# EAGLE board Mk4 Final a Panel score 2x5 (EAGLE 9.0.1), part 3 of 29
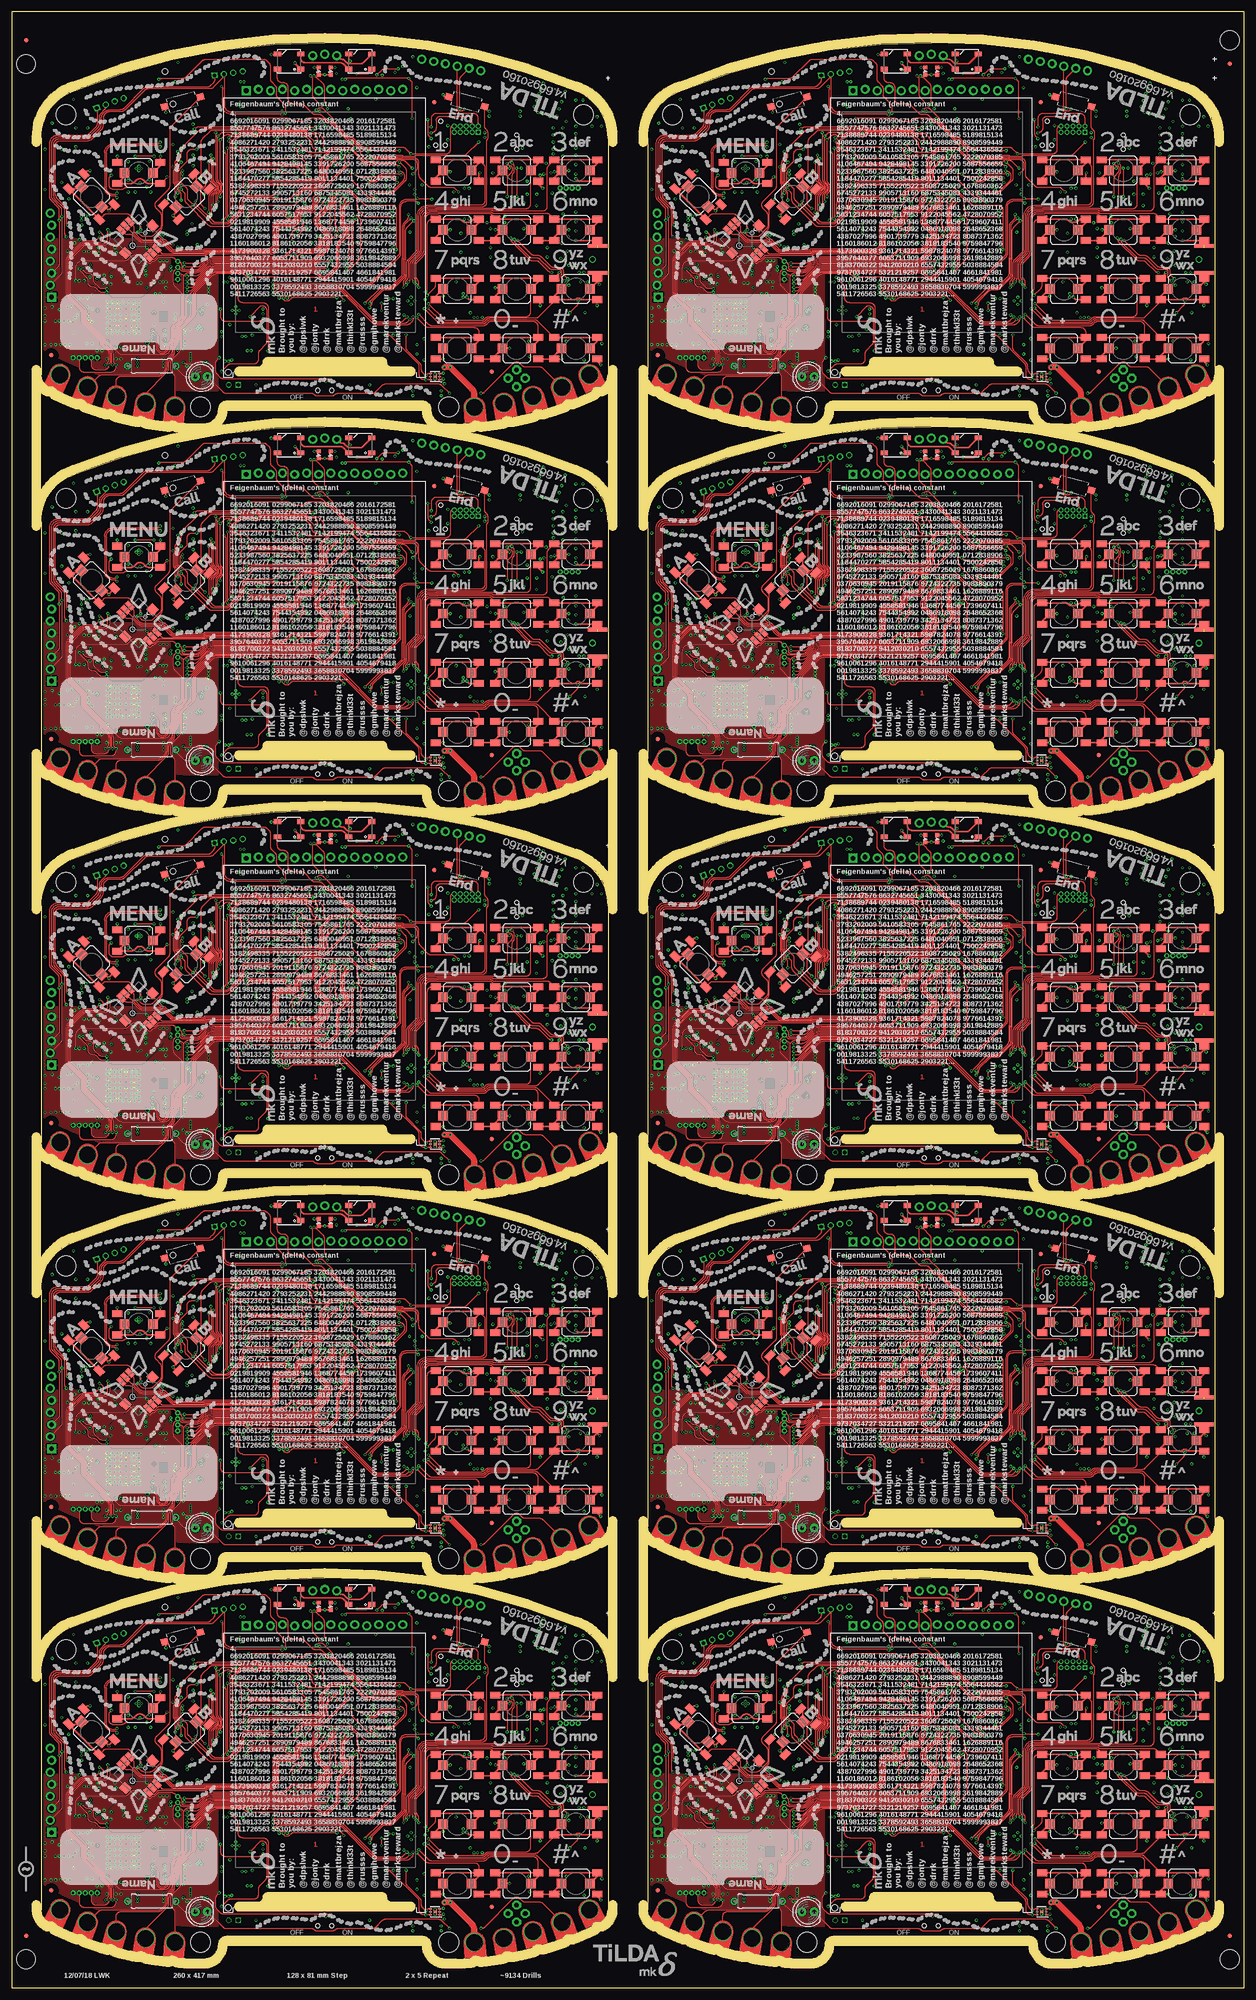
[diagram p0: board, top side]
## Placement (x,y rotation side) (continued)
IC128  MSP432E401  [QFP128-0.4]  194,302 0 bottom
IC129  SIM800C24 S2-10686-Z1L09  [SIM800C]  234.5,290 180 bottom
IC130  MX25R8035FM1IH1  [SO08-EIAJ]  206.7,292.15 270 bottom
IC131  TPD3E001DRL  [DRL-5]  210.25,322.5 90 bottom
IC132  BQ25601  [QFN-24]  175.25,273 270 bottom
IC133  TPD3E001DRL  [DRL-5]  243.25,279.4 270 bottom
IC134  TLV9002IDGK  [VSSOP8]  215,303 180 bottom
IC135  SN74HC4066D  [SO14]  225,303.5 0 bottom
IC136  TPA2006D1  [VSON-8]  154.8,302.95 270 bottom
IC137  CC3120R  [VQFN-64]  151.5,271.5 0 bottom
IC138  MX25R1635FM1IL0  [SO08-EIAJ]  147.75,289.25 90 bottom
IC139  TCA9555RGER  [QFN-24]  212.25,275 270 bottom
IC140  TMP102AIDRLR  [SOT563]  209,270 270 bottom
IC141  TPS62822DLCR  [VSON-HR]  165.7,263.1 180 bottom
IC142  OPT3001DNPR  [USON-6]  217.3,259 180 top
IC143  HDC2080DMBR  [SHT2X]  216.1,256 90 bottom
IC144  DRV5055A1QDBZR  [SOT23-3]  222.25,258.25 180 bottom
IC145  AS4C4M16SA-7TCN  [TSOP54-400]  42.7,382.7 270 bottom
IC146  MSP432E401  [QFP128-0.4]  66,383 0 bottom
IC147  SIM800C24 S2-10686-Z1L09  [SIM800C]  106.5,371 180 bottom
IC148  MX25R8035FM1IH1  [SO08-EIAJ]  78.7,373.15 270 bottom
IC149  TPD3E001DRL  [DRL-5]  82.25,403.5 90 bottom
IC150  BQ25601  [QFN-24]  47.25,354 270 bottom
IC151  TPD3E001DRL  [DRL-5]  115.25,360.4 270 bottom
IC152  TLV9002IDGK  [VSSOP8]  87,384 180 bottom
IC153  SN74HC4066D  [SO14]  97,384.5 0 bottom
IC154  TPA2006D1  [VSON-8]  26.8,383.95 270 bottom
IC155  CC3120R  [VQFN-64]  23.5,352.5 0 bottom
IC156  MX25R1635FM1IL0  [SO08-EIAJ]  19.75,370.25 90 bottom
IC157  TCA9555RGER  [QFN-24]  84.25,356 270 bottom
IC158  TMP102AIDRLR  [SOT563]  81,351 270 bottom
IC159  TPS62822DLCR  [VSON-HR]  37.7,344.1 180 bottom
IC160  OPT3001DNPR  [USON-6]  89.3,340 180 top
IC161  HDC2080DMBR  [SHT2X]  88.1,337 90 bottom
IC162  DRV5055A1QDBZR  [SOT23-3]  94.25,339.25 180 bottom
IC163  AS4C4M16SA-7TCN  [TSOP54-400]  170.7,382.7 270 bottom
IC164  MSP432E401  [QFP128-0.4]  194,383 0 bottom
IC165  SIM800C24 S2-10686-Z1L09  [SIM800C]  234.5,371 180 bottom
IC166  MX25R8035FM1IH1  [SO08-EIAJ]  206.7,373.15 270 bottom
IC167  TPD3E001DRL  [DRL-5]  210.25,403.5 90 bottom
IC168  BQ25601  [QFN-24]  175.25,354 270 bottom
IC169  TPD3E001DRL  [DRL-5]  243.25,360.4 270 bottom
IC170  TLV9002IDGK  [VSSOP8]  215,384 180 bottom
IC171  SN74HC4066D  [SO14]  225,384.5 0 bottom
IC172  TPA2006D1  [VSON-8]  154.8,383.95 270 bottom
IC173  CC3120R  [VQFN-64]  151.5,352.5 0 bottom
IC174  MX25R1635FM1IL0  [SO08-EIAJ]  147.75,370.25 90 bottom
IC175  TCA9555RGER  [QFN-24]  212.25,356 270 bottom
IC176  TMP102AIDRLR  [SOT563]  209,351 270 bottom
IC177  TPS62822DLCR  [VSON-HR]  165.7,344.1 180 bottom
IC178  OPT3001DNPR  [USON-6]  217.3,340 180 top
IC179  HDC2080DMBR  [SHT2X]  216.1,337 90 bottom
IC180  DRV5055A1QDBZR  [SOT23-3]  222.25,339.25 180 bottom
J1  78723-1001  [MSIM-MOLEX-LWK]  123.5,28.25 180 bottom
J2  ER-CON50HT-1  [FH12-50S-0.5SH]  66,39.5 0 bottom
J3  2x5 1.27mm  [PINHEAD_2X05_127]  95.9,68.2 0 bottom
J4  GSM-COIL-ANT  [GSM-ANTENNA]  122.5,40.75 0 bottom
J5  S2B-PH-SM4-TB(LF)(SN)  [JST-2-SMD]  94.8,21.8 90 bottom
J6  ER-CON50HT-1  [FH12-50S-0.5SH]  194,39.5 0 bottom
J7  SMA-142-0711-821/826  [J502-ND-142-0711-821/826-LWK1]  125.8,40.75 0 bottom
J8  H4P-SMD-2.0  [HW4-2.0-SWD-COMBINED]  45.75,80 172 bottom
J9  PJ-393-A  [PJ-393-A]  31.75,82.6 256 bottom
J10  H4P-SMD-2.0  [HW4-2.0-SWD-COMBINED]  20.75,73.75 160 bottom
J11  M02X2  [2X2]  106.5,15.65 315 bottom
J12  S2B-PH-SM4-TB(LF)(SN)  [JST-2-SMD]  222.8,21.8 90 bottom
J13  2x5 1.27mm  [PINHEAD_2X05_127]  223.9,68.2 0 bottom
J14  78723-1001  [MSIM-MOLEX-LWK]  251.5,28.25 180 bottom
J15  GSM-COIL-ANT  [GSM-ANTENNA]  250.5,40.75 0 bottom
J16  H4P-SMD-2.0  [HW4-2.0-SWD-COMBINED]  148.75,73.75 160 bottom
J17  PJ-393-A  [PJ-393-A]  159.75,82.6 256 bottom
J18  H4P-SMD-2.0  [HW4-2.0-SWD-COMBINED]  173.75,80 172 bottom
J19  SMA-142-0711-821/826  [J502-ND-142-0711-821/826-LWK1]  253.8,40.75 0 bottom
J20  M02X2  [2X2]  234.5,15.65 315 bottom
J21  ER-CON50HT-1  [FH12-50S-0.5SH]  66,120.5 0 bottom
J22  S2B-PH-SM4-TB(LF)(SN)  [JST-2-SMD]  94.8,102.8 90 bottom
J23  2x5 1.27mm  [PINHEAD_2X05_127]  95.9,149.2 0 bottom
J24  78723-1001  [MSIM-MOLEX-LWK]  123.5,109.25 180 bottom
J25  GSM-COIL-ANT  [GSM-ANTENNA]  122.5,121.75 0 bottom
J26  H4P-SMD-2.0  [HW4-2.0-SWD-COMBINED]  20.75,154.75 160 bottom
J27  PJ-393-A  [PJ-393-A]  31.75,163.6 256 bottom
J28  H4P-SMD-2.0  [HW4-2.0-SWD-COMBINED]  45.75,161 172 bottom
J29  SMA-142-0711-821/826  [J502-ND-142-0711-821/826-LWK1]  125.8,121.75 0 bottom
J30  M02X2  [2X2]  106.5,96.65 315 bottom
J31  ER-CON50HT-1  [FH12-50S-0.5SH]  194,120.5 0 bottom
J32  S2B-PH-SM4-TB(LF)(SN)  [JST-2-SMD]  222.8,102.8 90 bottom
J33  2x5 1.27mm  [PINHEAD_2X05_127]  223.9,149.2 0 bottom
J34  78723-1001  [MSIM-MOLEX-LWK]  251.5,109.25 180 bottom
J35  GSM-COIL-ANT  [GSM-ANTENNA]  250.5,121.75 0 bottom
J36  H4P-SMD-2.0  [HW4-2.0-SWD-COMBINED]  148.75,154.75 160 bottom
J37  PJ-393-A  [PJ-393-A]  159.75,163.6 256 bottom
J38  H4P-SMD-2.0  [HW4-2.0-SWD-COMBINED]  173.75,161 172 bottom
J39  SMA-142-0711-821/826  [J502-ND-142-0711-821/826-LWK1]  253.8,121.75 0 bottom
J40  M02X2  [2X2]  234.5,96.65 315 bottom
J41  ER-CON50HT-1  [FH12-50S-0.5SH]  66,201.5 0 bottom
J42  S2B-PH-SM4-TB(LF)(SN)  [JST-2-SMD]  94.8,183.8 90 bottom
J43  2x5 1.27mm  [PINHEAD_2X05_127]  95.9,230.2 0 bottom
J44  78723-1001  [MSIM-MOLEX-LWK]  123.5,190.25 180 bottom
J45  GSM-COIL-ANT  [GSM-ANTENNA]  122.5,202.75 0 bottom
J46  H4P-SMD-2.0  [HW4-2.0-SWD-COMBINED]  20.75,235.75 160 bottom
J47  PJ-393-A  [PJ-393-A]  31.75,244.6 256 bottom
J48  H4P-SMD-2.0  [HW4-2.0-SWD-COMBINED]  45.75,242 172 bottom
J49  SMA-142-0711-821/826  [J502-ND-142-0711-821/826-LWK1]  125.8,202.75 0 bottom
J50  M02X2  [2X2]  106.5,177.65 315 bottom
J51  ER-CON50HT-1  [FH12-50S-0.5SH]  194,201.5 0 bottom
J52  S2B-PH-SM4-TB(LF)(SN)  [JST-2-SMD]  222.8,183.8 90 bottom
J53  2x5 1.27mm  [PINHEAD_2X05_127]  223.9,230.2 0 bottom
J54  78723-1001  [MSIM-MOLEX-LWK]  251.5,190.25 180 bottom
J55  GSM-COIL-ANT  [GSM-ANTENNA]  250.5,202.75 0 bottom
J56  H4P-SMD-2.0  [HW4-2.0-SWD-COMBINED]  148.75,235.75 160 bottom
J57  PJ-393-A  [PJ-393-A]  159.75,244.6 256 bottom
J58  H4P-SMD-2.0  [HW4-2.0-SWD-COMBINED]  173.75,242 172 bottom
J59  SMA-142-0711-821/826  [J502-ND-142-0711-821/826-LWK1]  253.8,202.75 0 bottom
J60  M02X2  [2X2]  234.5,177.65 315 bottom
J61  ER-CON50HT-1  [FH12-50S-0.5SH]  66,282.5 0 bottom
J62  S2B-PH-SM4-TB(LF)(SN)  [JST-2-SMD]  94.8,264.8 90 bottom
J63  2x5 1.27mm  [PINHEAD_2X05_127]  95.9,311.2 0 bottom
J64  78723-1001  [MSIM-MOLEX-LWK]  123.5,271.25 180 bottom
J65  GSM-COIL-ANT  [GSM-ANTENNA]  122.5,283.75 0 bottom
J66  H4P-SMD-2.0  [HW4-2.0-SWD-COMBINED]  20.75,316.75 160 bottom
J67  PJ-393-A  [PJ-393-A]  31.75,325.6 256 bottom
J68  H4P-SMD-2.0  [HW4-2.0-SWD-COMBINED]  45.75,323 172 bottom
J69  SMA-142-0711-821/826  [J502-ND-142-0711-821/826-LWK1]  125.8,283.75 0 bottom
J70  M02X2  [2X2]  106.5,258.65 315 bottom
J71  ER-CON50HT-1  [FH12-50S-0.5SH]  194,282.5 0 bottom
J72  S2B-PH-SM4-TB(LF)(SN)  [JST-2-SMD]  222.8,264.8 90 bottom
J73  2x5 1.27mm  [PINHEAD_2X05_127]  223.9,311.2 0 bottom
J74  78723-1001  [MSIM-MOLEX-LWK]  251.5,271.25 180 bottom
J75  GSM-COIL-ANT  [GSM-ANTENNA]  250.5,283.75 0 bottom
J76  H4P-SMD-2.0  [HW4-2.0-SWD-COMBINED]  148.75,316.75 160 bottom
J77  PJ-393-A  [PJ-393-A]  159.75,325.6 256 bottom
J78  H4P-SMD-2.0  [HW4-2.0-SWD-COMBINED]  173.75,323 172 bottom
J79  SMA-142-0711-821/826  [J502-ND-142-0711-821/826-LWK1]  253.8,283.75 0 bottom
J80  M02X2  [2X2]  234.5,258.65 315 bottom
J81  ER-CON50HT-1  [FH12-50S-0.5SH]  66,363.5 0 bottom
J82  S2B-PH-SM4-TB(LF)(SN)  [JST-2-SMD]  94.8,345.8 90 bottom
J83  2x5 1.27mm  [PINHEAD_2X05_127]  95.9,392.2 0 bottom
J84  78723-1001  [MSIM-MOLEX-LWK]  123.5,352.25 180 bottom
J85  GSM-COIL-ANT  [GSM-ANTENNA]  122.5,364.75 0 bottom
J86  H4P-SMD-2.0  [HW4-2.0-SWD-COMBINED]  20.75,397.75 160 bottom
J87  PJ-393-A  [PJ-393-A]  31.75,406.6 256 bottom
J88  H4P-SMD-2.0  [HW4-2.0-SWD-COMBINED]  45.75,404 172 bottom
J89  SMA-142-0711-821/826  [J502-ND-142-0711-821/826-LWK1]  125.8,364.75 0 bottom
J90  M02X2  [2X2]  106.5,339.65 315 bottom
J91  ER-CON50HT-1  [FH12-50S-0.5SH]  194,363.5 0 bottom
J92  S2B-PH-SM4-TB(LF)(SN)  [JST-2-SMD]  222.8,345.8 90 bottom
J93  2x5 1.27mm  [PINHEAD_2X05_127]  223.9,392.2 0 bottom
J94  78723-1001  [MSIM-MOLEX-LWK]  251.5,352.25 180 bottom
J95  GSM-COIL-ANT  [GSM-ANTENNA]  250.5,364.75 0 bottom
J96  H4P-SMD-2.0  [HW4-2.0-SWD-COMBINED]  148.75,397.75 160 bottom
J97  PJ-393-A  [PJ-393-A]  159.75,406.6 256 bottom
J98  H4P-SMD-2.0  [HW4-2.0-SWD-COMBINED]  173.75,404 172 bottom
J99  SMA-142-0711-821/826  [J502-ND-142-0711-821/826-LWK1]  253.8,364.75 0 bottom
J100  M02X2  [2X2]  234.5,339.65 315 bottom
JP1  1x5 1.27mm  [1X05-1.27MM]  18.02,20 0 bottom
JP2  1x03  [1X03_LOCK]  63.46,83.9 180 bottom
JP3  1x02 2MM  [1X02_2MM]  47.75,14.25 0 bottom
JP4  TC2030-MCP-NL  [TC2030-MCP-NL]  90.45,69.9 270 bottom
JP5  1x4 1.27mm  [1X04-1.27MM]  35,36.5 90 bottom
JP6  1x8  [1X08_LOCK]  8.25,32.75 90 bottom
JP7  1x14  [1X14_LOCK]  49.49,76.5 180 bottom
JP8  1x6  [1X06]  86.5,83 191 bottom
JP9  1x04_1.27MM  [1X04-1.27MM]  119.5,55.8 0 bottom
JP10  TC2030-MCP-NL  [TC2030-MCP-NL]  218.45,69.9 270 bottom
JP11  1x03  [1X03_LOCK]  191.46,83.9 180 bottom
JP12  1x14  [1X14_LOCK]  177.49,76.5 180 bottom
JP13  1x02 2MM  [1X02_2MM]  175.75,14.25 0 bottom
JP14  1x04_1.27MM  [1X04-1.27MM]  247.5,55.8 0 bottom
JP15  1x5 1.27mm  [1X05-1.27MM]  146.02,20 0 bottom
JP16  1x4 1.27mm  [1X04-1.27MM]  163,36.5 90 bottom
JP17  1x8  [1X08_LOCK]  136.25,32.75 90 bottom
JP18  1x6  [1X06]  214.5,83 191 bottom
JP19  TC2030-MCP-NL  [TC2030-MCP-NL]  90.45,150.9 270 bottom
JP20  1x03  [1X03_LOCK]  63.46,164.9 180 bottom
JP21  1x14  [1X14_LOCK]  49.49,157.5 180 bottom
JP22  1x02 2MM  [1X02_2MM]  47.75,95.25 0 bottom
JP23  1x04_1.27MM  [1X04-1.27MM]  119.5,136.8 0 bottom
JP24  1x5 1.27mm  [1X05-1.27MM]  18.02,101 0 bottom
JP25  1x4 1.27mm  [1X04-1.27MM]  35,117.5 90 bottom
JP26  1x8  [1X08_LOCK]  8.25,113.75 90 bottom
JP27  1x6  [1X06]  86.5,164 191 bottom
JP28  TC2030-MCP-NL  [TC2030-MCP-NL]  218.45,150.9 270 bottom
JP29  1x03  [1X03_LOCK]  191.46,164.9 180 bottom
JP30  1x14  [1X14_LOCK]  177.49,157.5 180 bottom
JP31  1x02 2MM  [1X02_2MM]  175.75,95.25 0 bottom
JP32  1x04_1.27MM  [1X04-1.27MM]  247.5,136.8 0 bottom
JP33  1x5 1.27mm  [1X05-1.27MM]  146.02,101 0 bottom
JP34  1x4 1.27mm  [1X04-1.27MM]  163,117.5 90 bottom
JP35  1x8  [1X08_LOCK]  136.25,113.75 90 bottom
JP36  1x6  [1X06]  214.5,164 191 bottom
JP37  TC2030-MCP-NL  [TC2030-MCP-NL]  90.45,231.9 270 bottom
JP38  1x03  [1X03_LOCK]  63.46,245.9 180 bottom
JP39  1x14  [1X14_LOCK]  49.49,238.5 180 bottom
JP40  1x02 2MM  [1X02_2MM]  47.75,176.25 0 bottom
JP41  1x04_1.27MM  [1X04-1.27MM]  119.5,217.8 0 bottom
JP42  1x5 1.27mm  [1X05-1.27MM]  18.02,182 0 bottom
JP43  1x4 1.27mm  [1X04-1.27MM]  35,198.5 90 bottom
JP44  1x8  [1X08_LOCK]  8.25,194.75 90 bottom
JP45  1x6  [1X06]  86.5,245 191 bottom
JP46  TC2030-MCP-NL  [TC2030-MCP-NL]  218.45,231.9 270 bottom
JP47  1x03  [1X03_LOCK]  191.46,245.9 180 bottom
JP48  1x14  [1X14_LOCK]  177.49,238.5 180 bottom
JP49  1x02 2MM  [1X02_2MM]  175.75,176.25 0 bottom
JP50  1x04_1.27MM  [1X04-1.27MM]  247.5,217.8 0 bottom
JP51  1x5 1.27mm  [1X05-1.27MM]  146.02,182 0 bottom
JP52  1x4 1.27mm  [1X04-1.27MM]  163,198.5 90 bottom
JP53  1x8  [1X08_LOCK]  136.25,194.75 90 bottom
JP54  1x6  [1X06]  214.5,245 191 bottom
JP55  TC2030-MCP-NL  [TC2030-MCP-NL]  90.45,312.9 270 bottom
JP56  1x03  [1X03_LOCK]  63.46,326.9 180 bottom
JP57  1x14  [1X14_LOCK]  49.49,319.5 180 bottom
JP58  1x02 2MM  [1X02_2MM]  47.75,257.25 0 bottom
JP59  1x04_1.27MM  [1X04-1.27MM]  119.5,298.8 0 bottom
JP60  1x5 1.27mm  [1X05-1.27MM]  18.02,263 0 bottom
JP61  1x4 1.27mm  [1X04-1.27MM]  35,279.5 90 bottom
JP62  1x8  [1X08_LOCK]  8.25,275.75 90 bottom
JP63  1x6  [1X06]  86.5,326 191 bottom
JP64  TC2030-MCP-NL  [TC2030-MCP-NL]  218.45,312.9 270 bottom
JP65  1x03  [1X03_LOCK]  191.46,326.9 180 bottom
JP66  1x14  [1X14_LOCK]  177.49,319.5 180 bottom
JP67  1x02 2MM  [1X02_2MM]  175.75,257.25 0 bottom
JP68  1x04_1.27MM  [1X04-1.27MM]  247.5,298.8 0 bottom
JP69  1x5 1.27mm  [1X05-1.27MM]  146.02,263 0 bottom
JP70  1x4 1.27mm  [1X04-1.27MM]  163,279.5 90 bottom
JP71  1x8  [1X08_LOCK]  136.25,275.75 90 bottom
JP72  1x6  [1X06]  214.5,326 191 bottom
JP73  TC2030-MCP-NL  [TC2030-MCP-NL]  90.45,393.9 270 bottom
JP74  1x03  [1X03_LOCK]  63.46,407.9 180 bottom
JP75  1x14  [1X14_LOCK]  49.49,400.5 180 bottom
JP76  1x02 2MM  [1X02_2MM]  47.75,338.25 0 bottom
JP77  1x04_1.27MM  [1X04-1.27MM]  119.5,379.8 0 bottom
JP78  1x5 1.27mm  [1X05-1.27MM]  18.02,344 0 bottom
JP79  1x4 1.27mm  [1X04-1.27MM]  35,360.5 90 bottom
JP80  1x8  [1X08_LOCK]  8.25,356.75 90 bottom
JP81  1x6  [1X06]  86.5,407 191 bottom
JP82  TC2030-MCP-NL  [TC2030-MCP-NL]  218.45,393.9 270 bottom
JP83  1x03  [1X03_LOCK]  191.46,407.9 180 bottom
JP84  1x14  [1X14_LOCK]  177.49,400.5 180 bottom
JP85  1x02 2MM  [1X02_2MM]  175.75,338.25 0 bottom
JP86  1x04_1.27MM  [1X04-1.27MM]  247.5,379.8 0 bottom
JP87  1x5 1.27mm  [1X05-1.27MM]  146.02,344 0 bottom
JP88  1x4 1.27mm  [1X04-1.27MM]  163,360.5 90 bottom
JP89  1x8  [1X08_LOCK]  136.25,356.75 90 bottom
JP90  1x6  [1X06]  214.5,407 191 bottom
L1  SRN2512-2R2M  [1008]  42.25,25.75 270 bottom
L2  BLM18KG121TN1D  [WUERTH-0805]  72.5,78.75 0 bottom
L3  0402/0R/5%  [L0402]  118.5,43 270 bottom
L4  DFE201610E-R47M=P2  [0806]  41.5,21.15 90 bottom
L5  0402/0R/5%  [L0402]  116.75,72.5 110 bottom
L6  0402/0R/5%  [L0402]  10,29 0 bottom
L7  LQM2HPN2R2MG0L  [1008]  20.5,39.2 180 bottom
L8  LQM2HPN1R0MG0L  [1008]  23.5,39.5 270 bottom
L9  LQM2HPN2R2MG0L  [1008]  30,38 270 bottom
L10  BLM18KG121TN1D  [WUERTH-0805]  200.5,78.75 0 bottom
L11  DFE201610E-R47M=P2  [0806]  169.5,21.15 90 bottom
L12  SRN2512-2R2M  [1008]  170.25,25.75 270 bottom
L13  0402/0R/5%  [L0402]  246.5,43 270 bottom
L14  0402/0R/5%  [L0402]  244.75,72.5 110 bottom
L15  0402/0R/5%  [L0402]  138,29 0 bottom
L16  LQM2HPN2R2MG0L  [1008]  148.5,39.2 180 bottom
L17  LQM2HPN1R0MG0L  [1008]  151.5,39.5 270 bottom
L18  LQM2HPN2R2MG0L  [1008]  158,38 270 bottom
L19  BLM18KG121TN1D  [WUERTH-0805]  72.5,159.75 0 bottom
L20  DFE201610E-R47M=P2  [0806]  41.5,102.15 90 bottom
L21  SRN2512-2R2M  [1008]  42.25,106.75 270 bottom
L22  0402/0R/5%  [L0402]  118.5,124 270 bottom
L23  0402/0R/5%  [L0402]  116.75,153.5 110 bottom
L24  0402/0R/5%  [L0402]  10,110 0 bottom
L25  LQM2HPN2R2MG0L  [1008]  20.5,120.2 180 bottom
L26  LQM2HPN1R0MG0L  [1008]  23.5,120.5 270 bottom
L27  LQM2HPN2R2MG0L  [1008]  30,119 270 bottom
L28  BLM18KG121TN1D  [WUERTH-0805]  200.5,159.75 0 bottom
L29  DFE201610E-R47M=P2  [0806]  169.5,102.15 90 bottom
L30  SRN2512-2R2M  [1008]  170.25,106.75 270 bottom
L31  0402/0R/5%  [L0402]  246.5,124 270 bottom
L32  0402/0R/5%  [L0402]  244.75,153.5 110 bottom
L33  0402/0R/5%  [L0402]  138,110 0 bottom
L34  LQM2HPN2R2MG0L  [1008]  148.5,120.2 180 bottom
L35  LQM2HPN1R0MG0L  [1008]  151.5,120.5 270 bottom
L36  LQM2HPN2R2MG0L  [1008]  158,119 270 bottom
L37  BLM18KG121TN1D  [WUERTH-0805]  72.5,240.75 0 bottom
L38  DFE201610E-R47M=P2  [0806]  41.5,183.15 90 bottom
L39  SRN2512-2R2M  [1008]  42.25,187.75 270 bottom
L40  0402/0R/5%  [L0402]  118.5,205 270 bottom
L41  0402/0R/5%  [L0402]  116.75,234.5 110 bottom
L42  0402/0R/5%  [L0402]  10,191 0 bottom
L43  LQM2HPN2R2MG0L  [1008]  20.5,201.2 180 bottom
L44  LQM2HPN1R0MG0L  [1008]  23.5,201.5 270 bottom
L45  LQM2HPN2R2MG0L  [1008]  30,200 270 bottom
L46  BLM18KG121TN1D  [WUERTH-0805]  200.5,240.75 0 bottom
L47  DFE201610E-R47M=P2  [0806]  169.5,183.15 90 bottom
L48  SRN2512-2R2M  [1008]  170.25,187.75 270 bottom
L49  0402/0R/5%  [L0402]  246.5,205 270 bottom
L50  0402/0R/5%  [L0402]  244.75,234.5 110 bottom
L51  0402/0R/5%  [L0402]  138,191 0 bottom
L52  LQM2HPN2R2MG0L  [1008]  148.5,201.2 180 bottom
L53  LQM2HPN1R0MG0L  [1008]  151.5,201.5 270 bottom
L54  LQM2HPN2R2MG0L  [1008]  158,200 270 bottom
L55  BLM18KG121TN1D  [WUERTH-0805]  72.5,321.75 0 bottom
L56  DFE201610E-R47M=P2  [0806]  41.5,264.15 90 bottom
L57  SRN2512-2R2M  [1008]  42.25,268.75 270 bottom
L58  0402/0R/5%  [L0402]  118.5,286 270 bottom
L59  0402/0R/5%  [L0402]  116.75,315.5 110 bottom
L60  0402/0R/5%  [L0402]  10,272 0 bottom
L61  LQM2HPN2R2MG0L  [1008]  20.5,282.2 180 bottom
L62  LQM2HPN1R0MG0L  [1008]  23.5,282.5 270 bottom
L63  LQM2HPN2R2MG0L  [1008]  30,281 270 bottom
L64  BLM18KG121TN1D  [WUERTH-0805]  200.5,321.75 0 bottom
L65  DFE201610E-R47M=P2  [0806]  169.5,264.15 90 bottom
L66  SRN2512-2R2M  [1008]  170.25,268.75 270 bottom
L67  0402/0R/5%  [L0402]  246.5,286 270 bottom
L68  0402/0R/5%  [L0402]  244.75,315.5 110 bottom
L69  0402/0R/5%  [L0402]  138,272 0 bottom
L70  LQM2HPN2R2MG0L  [1008]  148.5,282.2 180 bottom
L71  LQM2HPN1R0MG0L  [1008]  151.5,282.5 270 bottom
L72  LQM2HPN2R2MG0L  [1008]  158,281 270 bottom
L73  BLM18KG121TN1D  [WUERTH-0805]  72.5,402.75 0 bottom
L74  DFE201610E-R47M=P2  [0806]  41.5,345.15 90 bottom
L75  SRN2512-2R2M  [1008]  42.25,349.75 270 bottom
L76  0402/0R/5%  [L0402]  118.5,367 270 bottom
L77  0402/0R/5%  [L0402]  116.75,396.5 110 bottom
L78  0402/0R/5%  [L0402]  10,353 0 bottom
L79  LQM2HPN2R2MG0L  [1008]  20.5,363.2 180 bottom
L80  LQM2HPN1R0MG0L  [1008]  23.5,363.5 270 bottom
L81  LQM2HPN2R2MG0L  [1008]  30,362 270 bottom
L82  BLM18KG121TN1D  [WUERTH-0805]  200.5,402.75 0 bottom
L83  DFE201610E-R47M=P2  [0806]  169.5,345.15 90 bottom
L84  SRN2512-2R2M  [1008]  170.25,349.75 270 bottom
L85  0402/0R/5%  [L0402]  246.5,367 270 bottom
L86  0402/0R/5%  [L0402]  244.75,396.5 110 bottom
L87  0402/0R/5%  [L0402]  138,353 0 bottom
L88  LQM2HPN2R2MG0L  [1008]  148.5,363.2 180 bottom
L89  LQM2HPN1R0MG0L  [1008]  151.5,363.5 270 bottom
L90  LQM2HPN2R2MG0L  [1008]  158,362 270 bottom
LAYERS1  LAYER_NUMBRS_4_SMALL  [LAYER_NUMBERS_4_SMALL]  63.5,29.5 0 top
LAYERS2  LAYER_NUMBRS_4_SMALL  [LAYER_NUMBERS_4_SMALL]  191.5,29.5 0 top
LAYERS3  LAYER_NUMBRS_4_SMALL  [LAYER_NUMBERS_4_SMALL]  63.5,110.5 0 top
LAYERS4  LAYER_NUMBRS_4_SMALL  [LAYER_NUMBERS_4_SMALL]  191.5,110.5 0 top
LAYERS5  LAYER_NUMBRS_4_SMALL  [LAYER_NUMBERS_4_SMALL]  63.5,191.5 0 top
LAYERS6  LAYER_NUMBRS_4_SMALL  [LAYER_NUMBERS_4_SMALL]  191.5,191.5 0 top
LAYERS7  LAYER_NUMBRS_4_SMALL  [LAYER_NUMBERS_4_SMALL]  63.5,272.5 0 top
LAYERS8  LAYER_NUMBRS_4_SMALL  [LAYER_NUMBERS_4_SMALL]  191.5,272.5 0 top
LAYERS9  LAYER_NUMBRS_4_SMALL  [LAYER_NUMBERS_4_SMALL]  63.5,353.5 0 top
LAYERS10  LAYER_NUMBRS_4_SMALL  [LAYER_NUMBERS_4_SMALL]  191.5,353.5 0 top
LCD  ER-TFT024-3  [ER-TFT024-3]  66,39.5 0 top
LCD1  ER-TFT024-3  [ER-TFT024-3]  194,39.5 0 top
LCD2  ER-TFT024-3  [ER-TFT024-3]  66,120.5 0 top
LCD3  ER-TFT024-3  [ER-TFT024-3]  194,120.5 0 top
LCD4  ER-TFT024-3  [ER-TFT024-3]  66,201.5 0 top
LCD5  ER-TFT024-3  [ER-TFT024-3]  194,201.5 0 top
LCD6  ER-TFT024-3  [ER-TFT024-3]  66,282.5 0 top
LCD7  ER-TFT024-3  [ER-TFT024-3]  194,282.5 0 top
LCD8  ER-TFT024-3  [ER-TFT024-3]  66,363.5 0 top
LCD9  ER-TFT024-3  [ER-TFT024-3]  194,363.5 0 top
LED1  WS2812B  [WS2812B]  58.5,82.5 180 top
LED2  WS2812B  [WS2812B]  73.5,82.5 180 top
LED3  0603 RED  [LED-0603-CORRECT]  67.27,80.5 90 top
LED4  0603 GREEN  [LED-0603-CORRECT]  64.73,80.5 90 top
LED5  LED 5MM  [LED5MM]  40,16 0 top
LED6  0603 RED  [LED-0603-CORRECT]  49.75,34.75 180 bottom
LED7  WS2812B  [WS2812B]  186.5,82.5 180 top
LED8  WS2812B  [WS2812B]  201.5,82.5 180 top
LED9  0603 RED  [LED-0603-CORRECT]  195.27,80.5 90 top
LED10  0603 GREEN  [LED-0603-CORRECT]  192.73,80.5 90 top
LED11  LED 5MM  [LED5MM]  168,16 0 top
LED12  0603 RED  [LED-0603-CORRECT]  177.75,34.75 180 bottom
LED13  WS2812B  [WS2812B]  58.5,163.5 180 top
LED14  WS2812B  [WS2812B]  73.5,163.5 180 top
LED15  0603 RED  [LED-0603-CORRECT]  67.27,161.5 90 top
LED16  0603 GREEN  [LED-0603-CORRECT]  64.73,161.5 90 top
LED17  LED 5MM  [LED5MM]  40,97 0 top
LED18  0603 RED  [LED-0603-CORRECT]  49.75,115.75 180 bottom
LED19  WS2812B  [WS2812B]  186.5,163.5 180 top
LED20  WS2812B  [WS2812B]  201.5,163.5 180 top
LED21  0603 RED  [LED-0603-CORRECT]  195.27,161.5 90 top
LED22  0603 GREEN  [LED-0603-CORRECT]  192.73,161.5 90 top
LED23  LED 5MM  [LED5MM]  168,97 0 top
LED24  0603 RED  [LED-0603-CORRECT]  177.75,115.75 180 bottom
LED25  WS2812B  [WS2812B]  58.5,244.5 180 top
LED26  WS2812B  [WS2812B]  73.5,244.5 180 top
LED27  0603 RED  [LED-0603-CORRECT]  67.27,242.5 90 top
LED28  0603 GREEN  [LED-0603-CORRECT]  64.73,242.5 90 top
LED29  LED 5MM  [LED5MM]  40,178 0 top
LED30  0603 RED  [LED-0603-CORRECT]  49.75,196.75 180 bottom
LED31  WS2812B  [WS2812B]  186.5,244.5 180 top
LED32  WS2812B  [WS2812B]  201.5,244.5 180 top
LED33  0603 RED  [LED-0603-CORRECT]  195.27,242.5 90 top
LED34  0603 GREEN  [LED-0603-CORRECT]  192.73,242.5 90 top
LED35  LED 5MM  [LED5MM]  168,178 0 top
LED36  0603 RED  [LED-0603-CORRECT]  177.75,196.75 180 bottom
LED37  WS2812B  [WS2812B]  58.5,325.5 180 top
LED38  WS2812B  [WS2812B]  73.5,325.5 180 top
LED39  0603 RED  [LED-0603-CORRECT]  67.27,323.5 90 top
LED40  0603 GREEN  [LED-0603-CORRECT]  64.73,323.5 90 top
LED41  LED 5MM  [LED5MM]  40,259 0 top
LED42  0603 RED  [LED-0603-CORRECT]  49.75,277.75 180 bottom
LED43  WS2812B  [WS2812B]  186.5,325.5 180 top
LED44  WS2812B  [WS2812B]  201.5,325.5 180 top
LED45  0603 RED  [LED-0603-CORRECT]  195.27,323.5 90 top
LED46  0603 GREEN  [LED-0603-CORRECT]  192.73,323.5 90 top
LED47  LED 5MM  [LED5MM]  168,259 0 top
LED48  0603 RED  [LED-0603-CORRECT]  177.75,277.75 180 bottom
LED49  WS2812B  [WS2812B]  58.5,406.5 180 top
LED50  WS2812B  [WS2812B]  73.5,406.5 180 top
LED51  0603 RED  [LED-0603-CORRECT]  67.27,404.5 90 top
LED52  0603 GREEN  [LED-0603-CORRECT]  64.73,404.5 90 top
LED53  LED 5MM  [LED5MM]  40,340 0 top
LED54  0603 RED  [LED-0603-CORRECT]  49.75,358.75 180 bottom
LED55  WS2812B  [WS2812B]  186.5,406.5 180 top
LED56  WS2812B  [WS2812B]  201.5,406.5 180 top
LED57  0603 RED  [LED-0603-CORRECT]  195.27,404.5 90 top
LED58  0603 GREEN  [LED-0603-CORRECT]  192.73,404.5 90 top
LED59  LED 5MM  [LED5MM]  168,340 0 top
LED60  0603 RED  [LED-0603-CORRECT]  177.75,358.75 180 bottom
LOGO1  LOGO_SIM  [SIM_ICON]  105,26 0 bottom
LOGO2  LOGO_MICROPYTHON-6MM  [LOGO_MICROPYTHON_6MM]  84.75,51.7 0 bottom
LOGO3  LOGO_HCD-4MM  [LOGO_HDC_4MM]  82.4,63.4 0 bottom
LOGO4  LOGO_TI-BY-4MM  [LOGO_TI_BY_4MM]  88.5,68 0 bottom
LOGO5  EMFLOGO-2018-6MM  [EMFLOGO-2018-6MM]  28.5,48 90 bottom
LOGO6  LOGO-SEEEDSTUDIO-SILK  [LOGO_SILK]  56,82 0 bottom
LOGO7  LOGO_SIM  [SIM_ICON]  233,26 0 bottom
LOGO8  LOGO_MICROPYTHON-6MM  [LOGO_MICROPYTHON_6MM]  212.75,51.7 0 bottom
LOGO9  LOGO_HCD-4MM  [LOGO_HDC_4MM]  210.4,63.4 0 bottom
LOGO10  LOGO_TI-BY-4MM  [LOGO_TI_BY_4MM]  216.5,68 0 bottom
LOGO11  LOGO-SEEEDSTUDIO-SILK  [LOGO_SILK]  184,82 0 bottom
LOGO12  EMFLOGO-2018-6MM  [EMFLOGO-2018-6MM]  156.5,48 90 bottom
LOGO13  LOGO_SIM  [SIM_ICON]  105,107 0 bottom
LOGO14  LOGO_MICROPYTHON-6MM  [LOGO_MICROPYTHON_6MM]  84.75,132.7 0 bottom
LOGO15  LOGO_HCD-4MM  [LOGO_HDC_4MM]  82.4,144.4 0 bottom
LOGO16  LOGO_TI-BY-4MM  [LOGO_TI_BY_4MM]  88.5,149 0 bottom
LOGO17  LOGO-SEEEDSTUDIO-SILK  [LOGO_SILK]  56,163 0 bottom
LOGO18  EMFLOGO-2018-6MM  [EMFLOGO-2018-6MM]  28.5,129 90 bottom
LOGO19  LOGO_SIM  [SIM_ICON]  233,107 0 bottom
LOGO20  LOGO_MICROPYTHON-6MM  [LOGO_MICROPYTHON_6MM]  212.75,132.7 0 bottom
LOGO21  LOGO_HCD-4MM  [LOGO_HDC_4MM]  210.4,144.4 0 bottom
LOGO22  LOGO_TI-BY-4MM  [LOGO_TI_BY_4MM]  216.5,149 0 bottom
LOGO23  LOGO-SEEEDSTUDIO-SILK  [LOGO_SILK]  184,163 0 bottom
LOGO24  EMFLOGO-2018-6MM  [EMFLOGO-2018-6MM]  156.5,129 90 bottom
LOGO25  LOGO_SIM  [SIM_ICON]  105,188 0 bottom
LOGO26  LOGO_MICROPYTHON-6MM  [LOGO_MICROPYTHON_6MM]  84.75,213.7 0 bottom
LOGO27  LOGO_HCD-4MM  [LOGO_HDC_4MM]  82.4,225.4 0 bottom
LOGO28  LOGO_TI-BY-4MM  [LOGO_TI_BY_4MM]  88.5,230 0 bottom
LOGO29  LOGO-SEEEDSTUDIO-SILK  [LOGO_SILK]  56,244 0 bottom
LOGO30  EMFLOGO-2018-6MM  [EMFLOGO-2018-6MM]  28.5,210 90 bottom
LOGO31  LOGO_SIM  [SIM_ICON]  233,188 0 bottom
LOGO32  LOGO_MICROPYTHON-6MM  [LOGO_MICROPYTHON_6MM]  212.75,213.7 0 bottom
LOGO33  LOGO_HCD-4MM  [LOGO_HDC_4MM]  210.4,225.4 0 bottom
LOGO34  LOGO_TI-BY-4MM  [LOGO_TI_BY_4MM]  216.5,230 0 bottom
LOGO35  LOGO-SEEEDSTUDIO-SILK  [LOGO_SILK]  184,244 0 bottom
LOGO36  EMFLOGO-2018-6MM  [EMFLOGO-2018-6MM]  156.5,210 90 bottom
LOGO37  LOGO_SIM  [SIM_ICON]  105,269 0 bottom
LOGO38  LOGO_MICROPYTHON-6MM  [LOGO_MICROPYTHON_6MM]  84.75,294.7 0 bottom
LOGO39  LOGO_HCD-4MM  [LOGO_HDC_4MM]  82.4,306.4 0 bottom
LOGO40  LOGO_TI-BY-4MM  [LOGO_TI_BY_4MM]  88.5,311 0 bottom
LOGO41  LOGO-SEEEDSTUDIO-SILK  [LOGO_SILK]  56,325 0 bottom
LOGO42  EMFLOGO-2018-6MM  [EMFLOGO-2018-6MM]  28.5,291 90 bottom
LOGO43  LOGO_SIM  [SIM_ICON]  233,269 0 bottom
LOGO44  LOGO_MICROPYTHON-6MM  [LOGO_MICROPYTHON_6MM]  212.75,294.7 0 bottom
LOGO45  LOGO_HCD-4MM  [LOGO_HDC_4MM]  210.4,306.4 0 bottom